# Altium PCB PE100-Rev1_1.PcbDoc (part 1 of 2)
Units mil, origin at the board's own origin, x right, y up, seen from the top; angles counter-clockwise.
Board outline 6600.39 x 4375.99 mil, 4 copper layers (TOP, GND02, VCC03, BOTTOM), stack 28.8 mil thick; 321 components, 383 nets, 1697 pads, 0 vias.
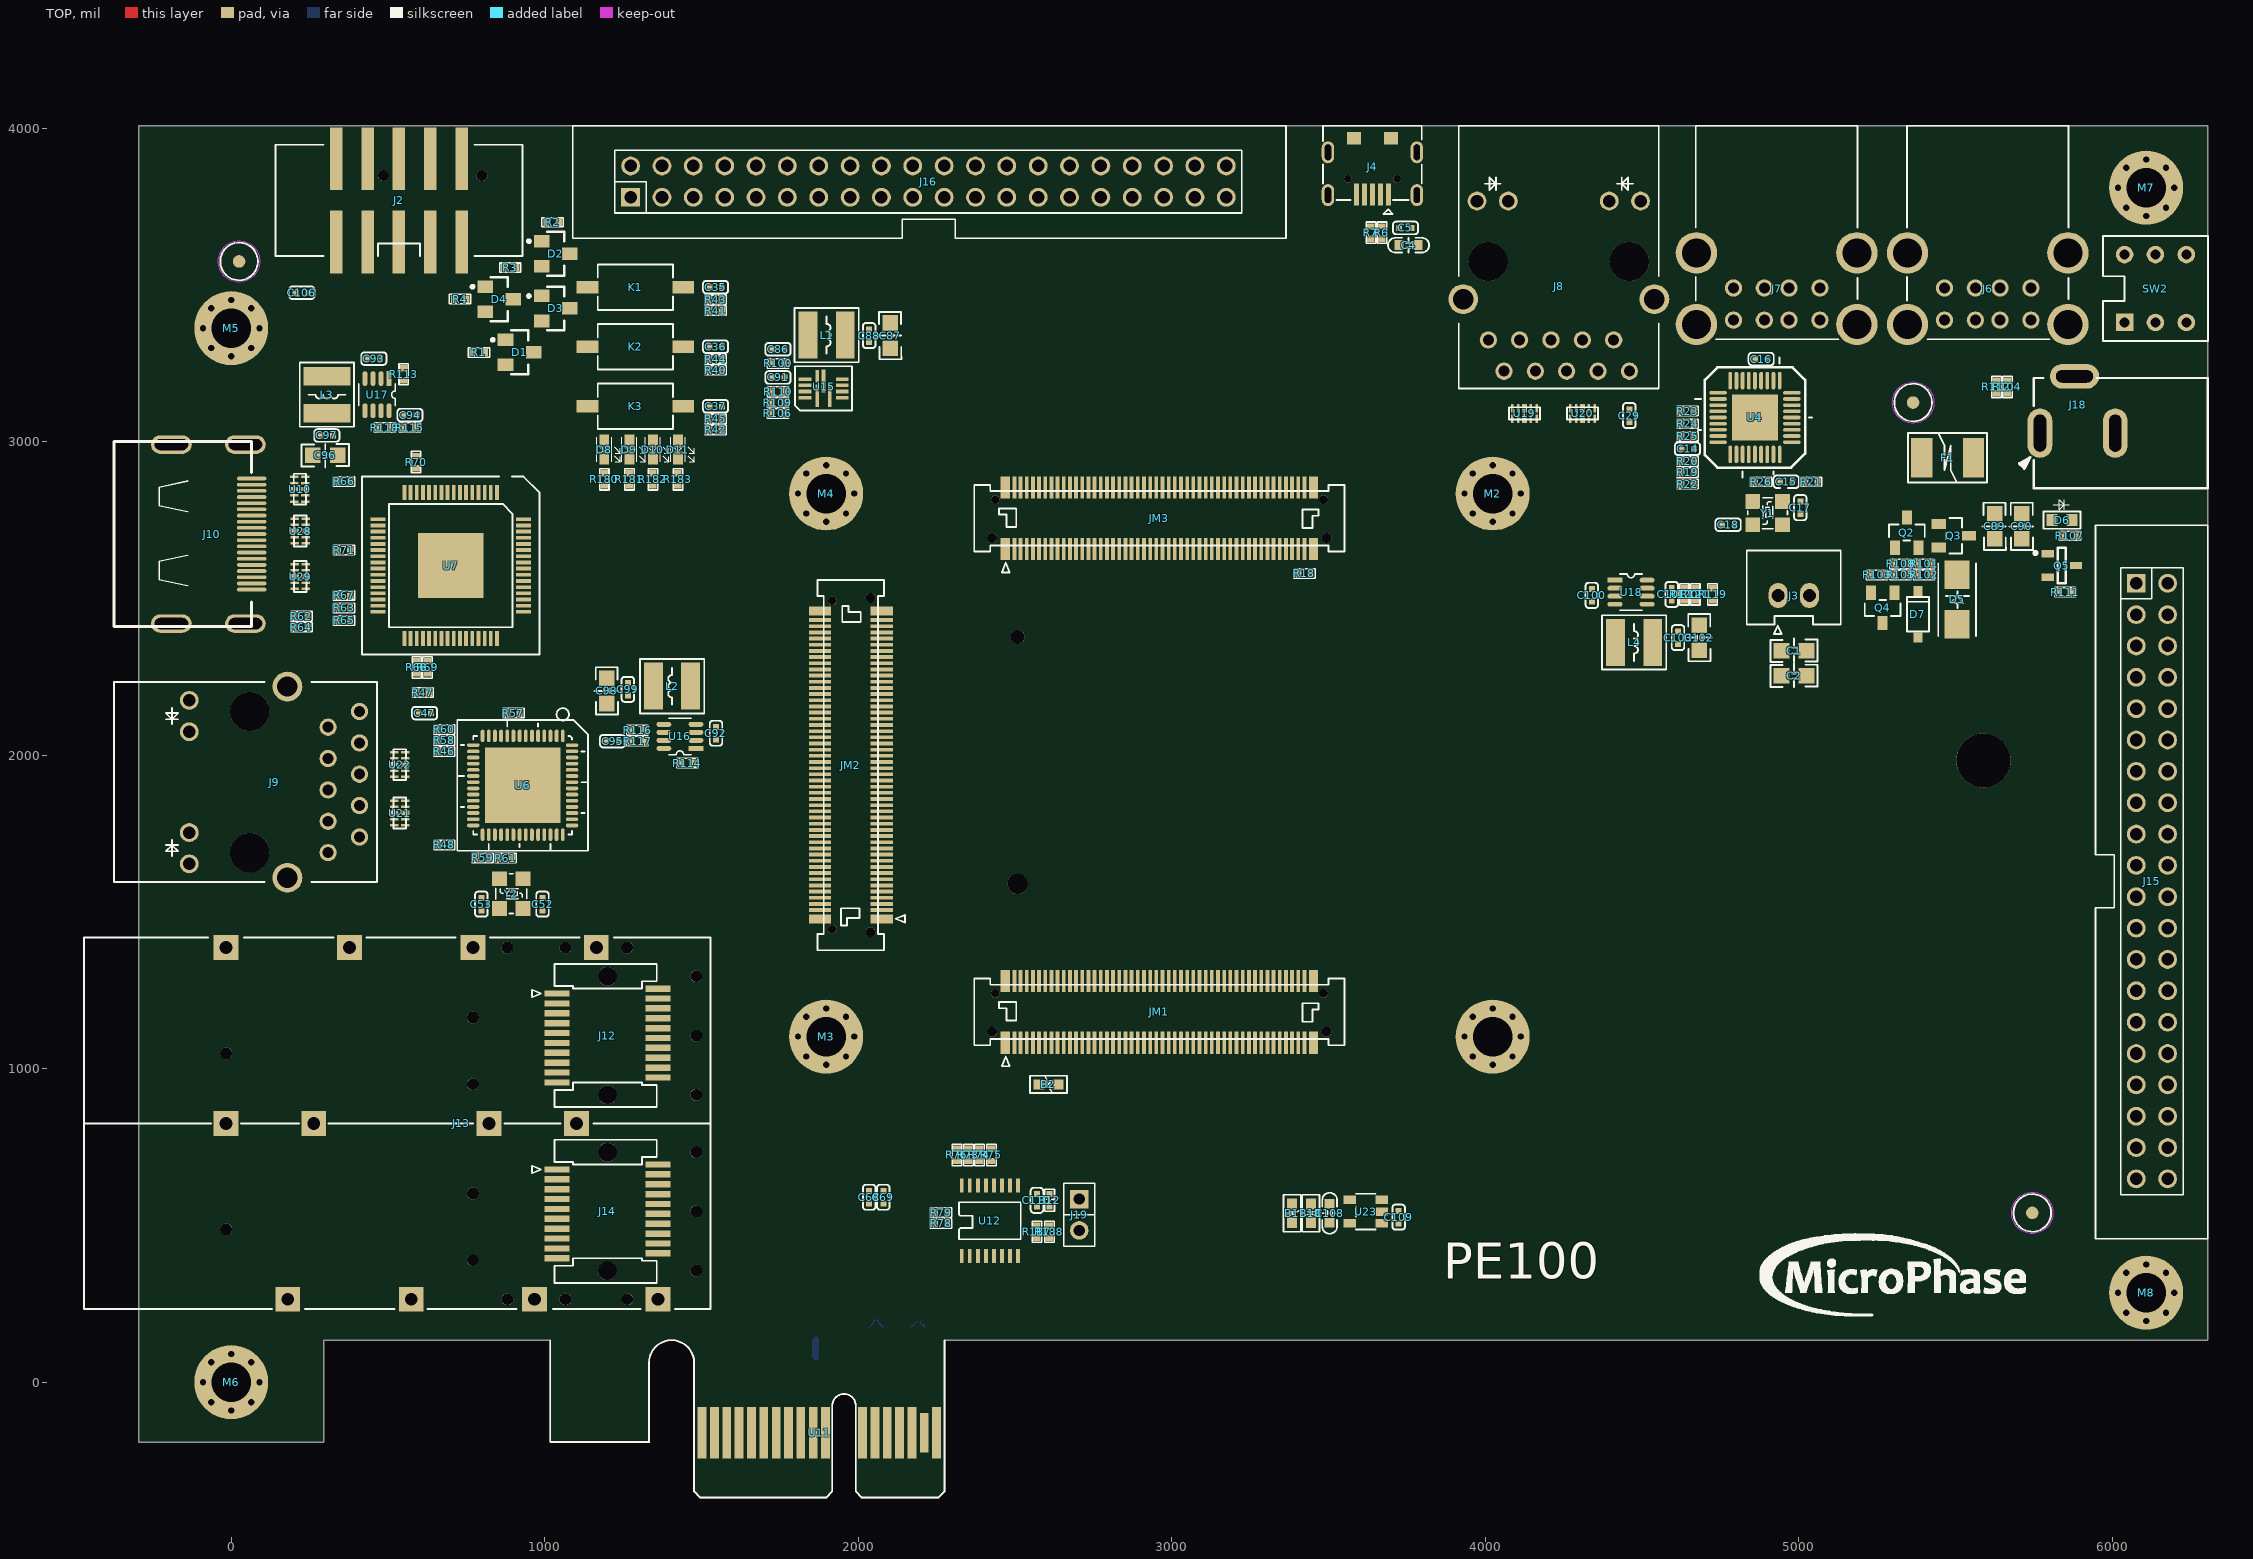
[diagram p0: TOP view]
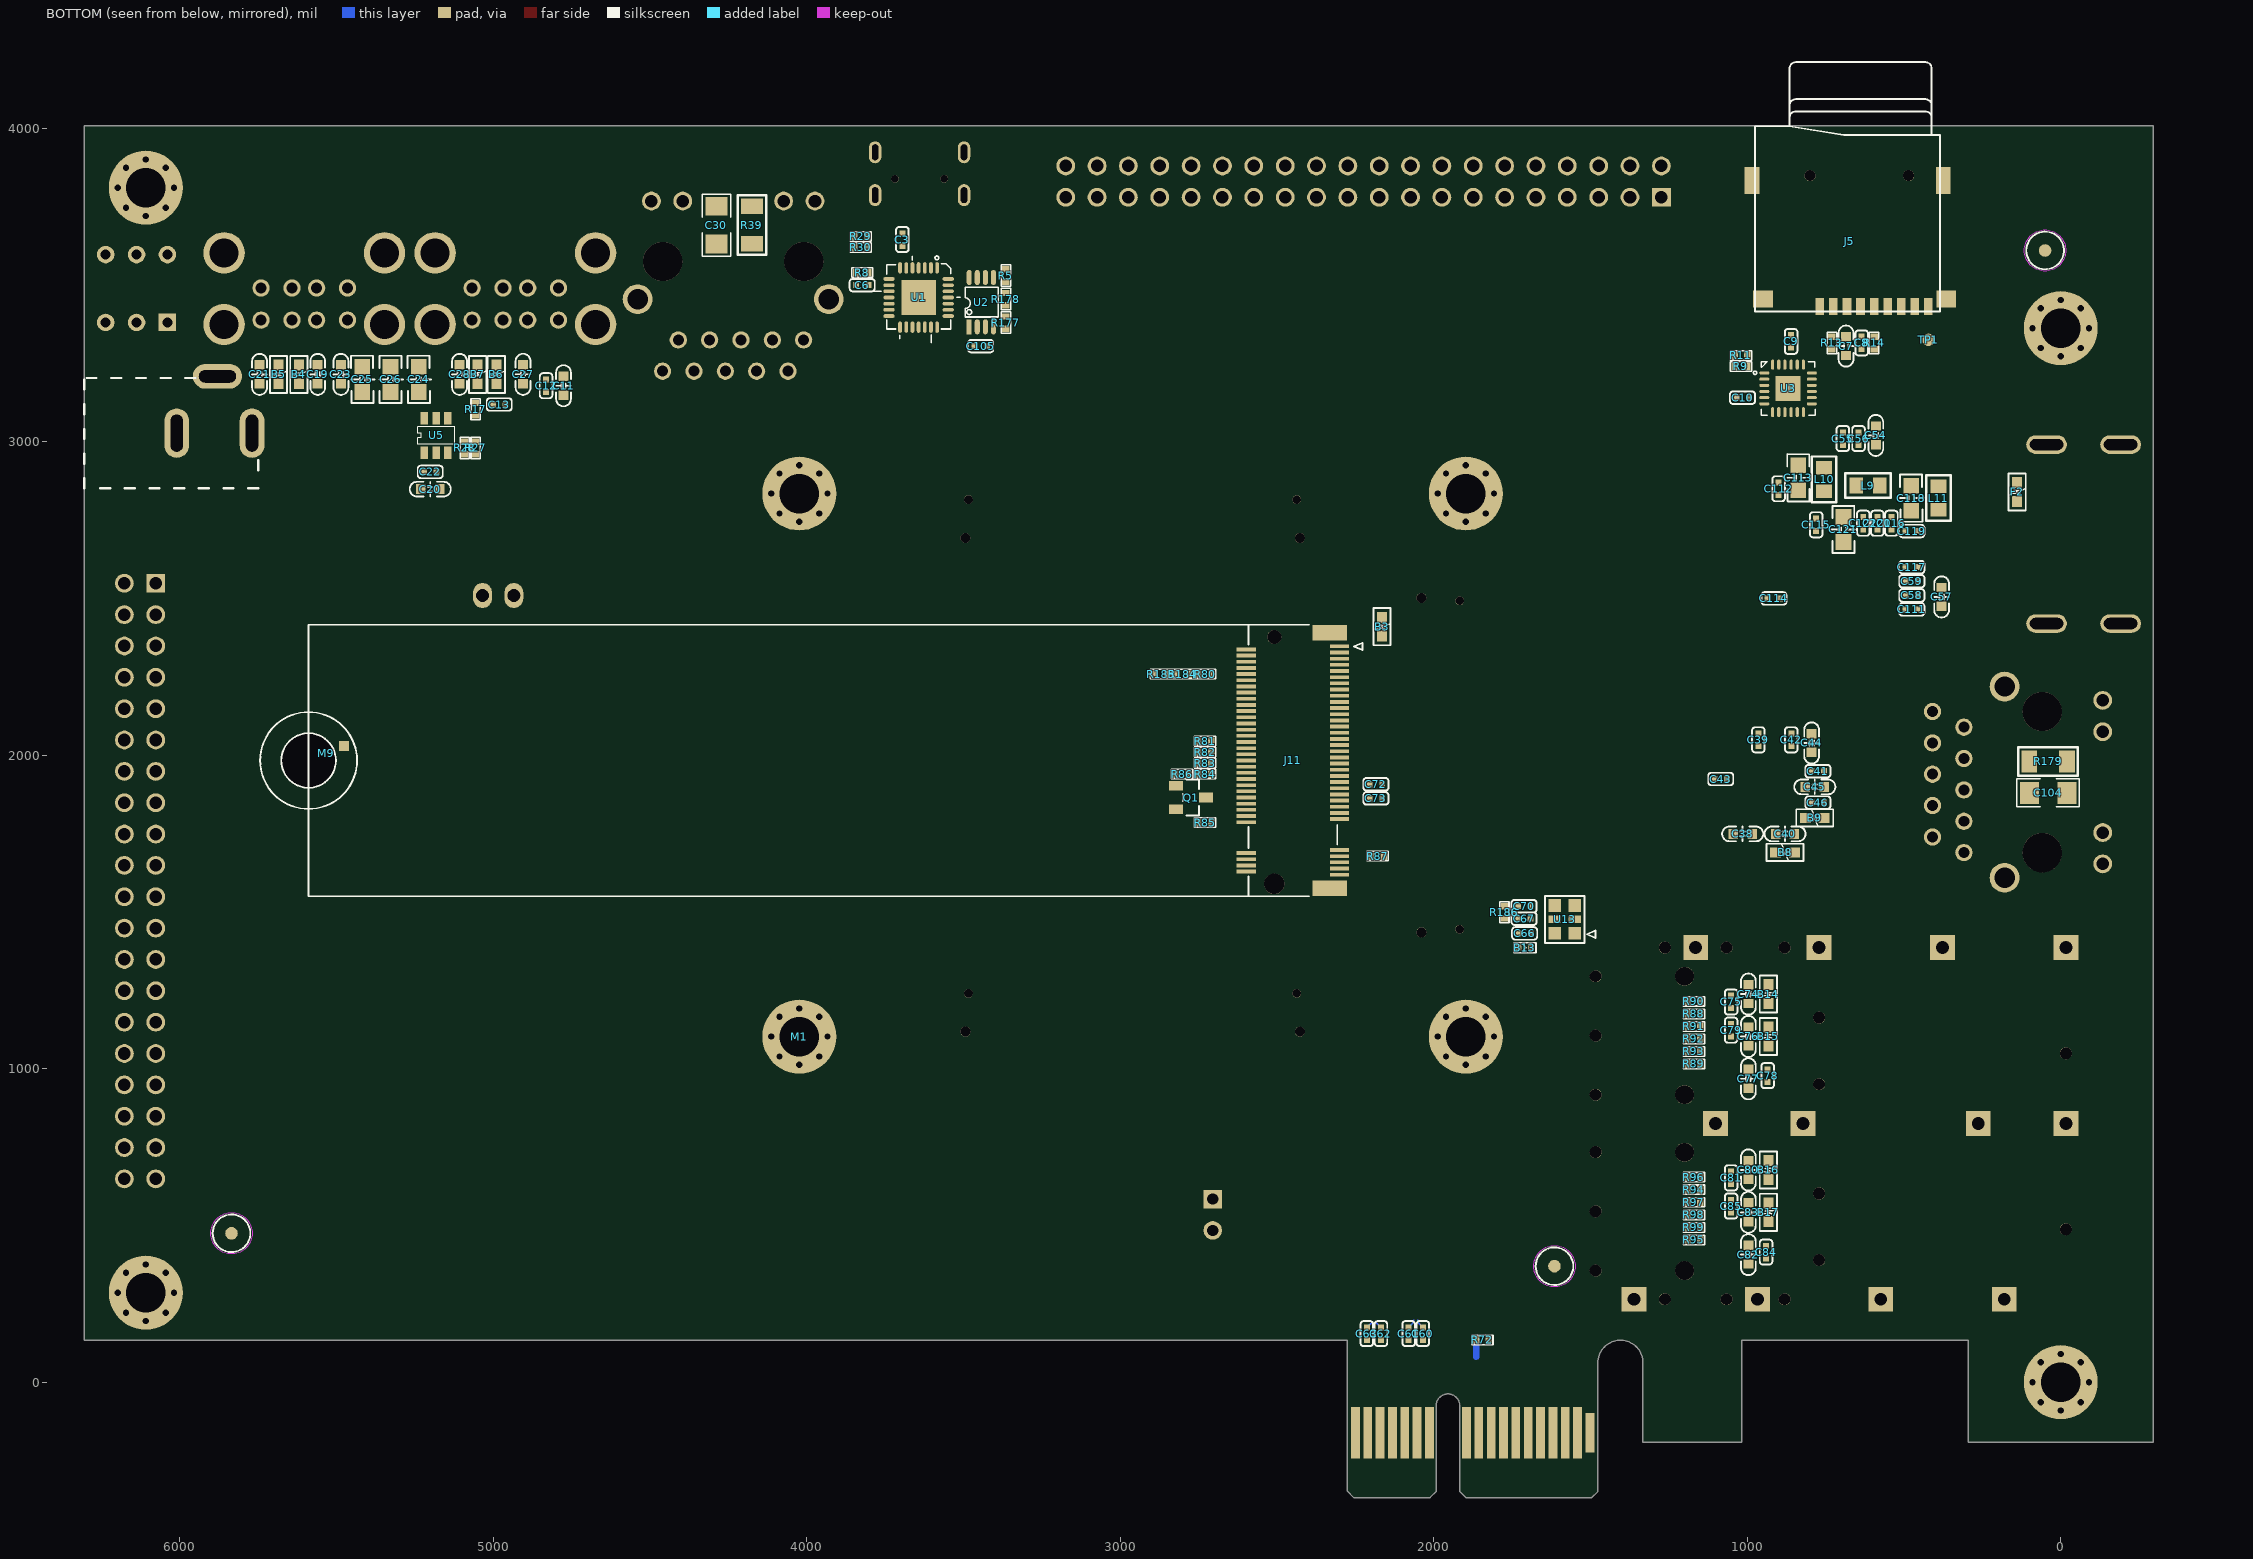
[diagram p1: BOTTOM view, seen from below]
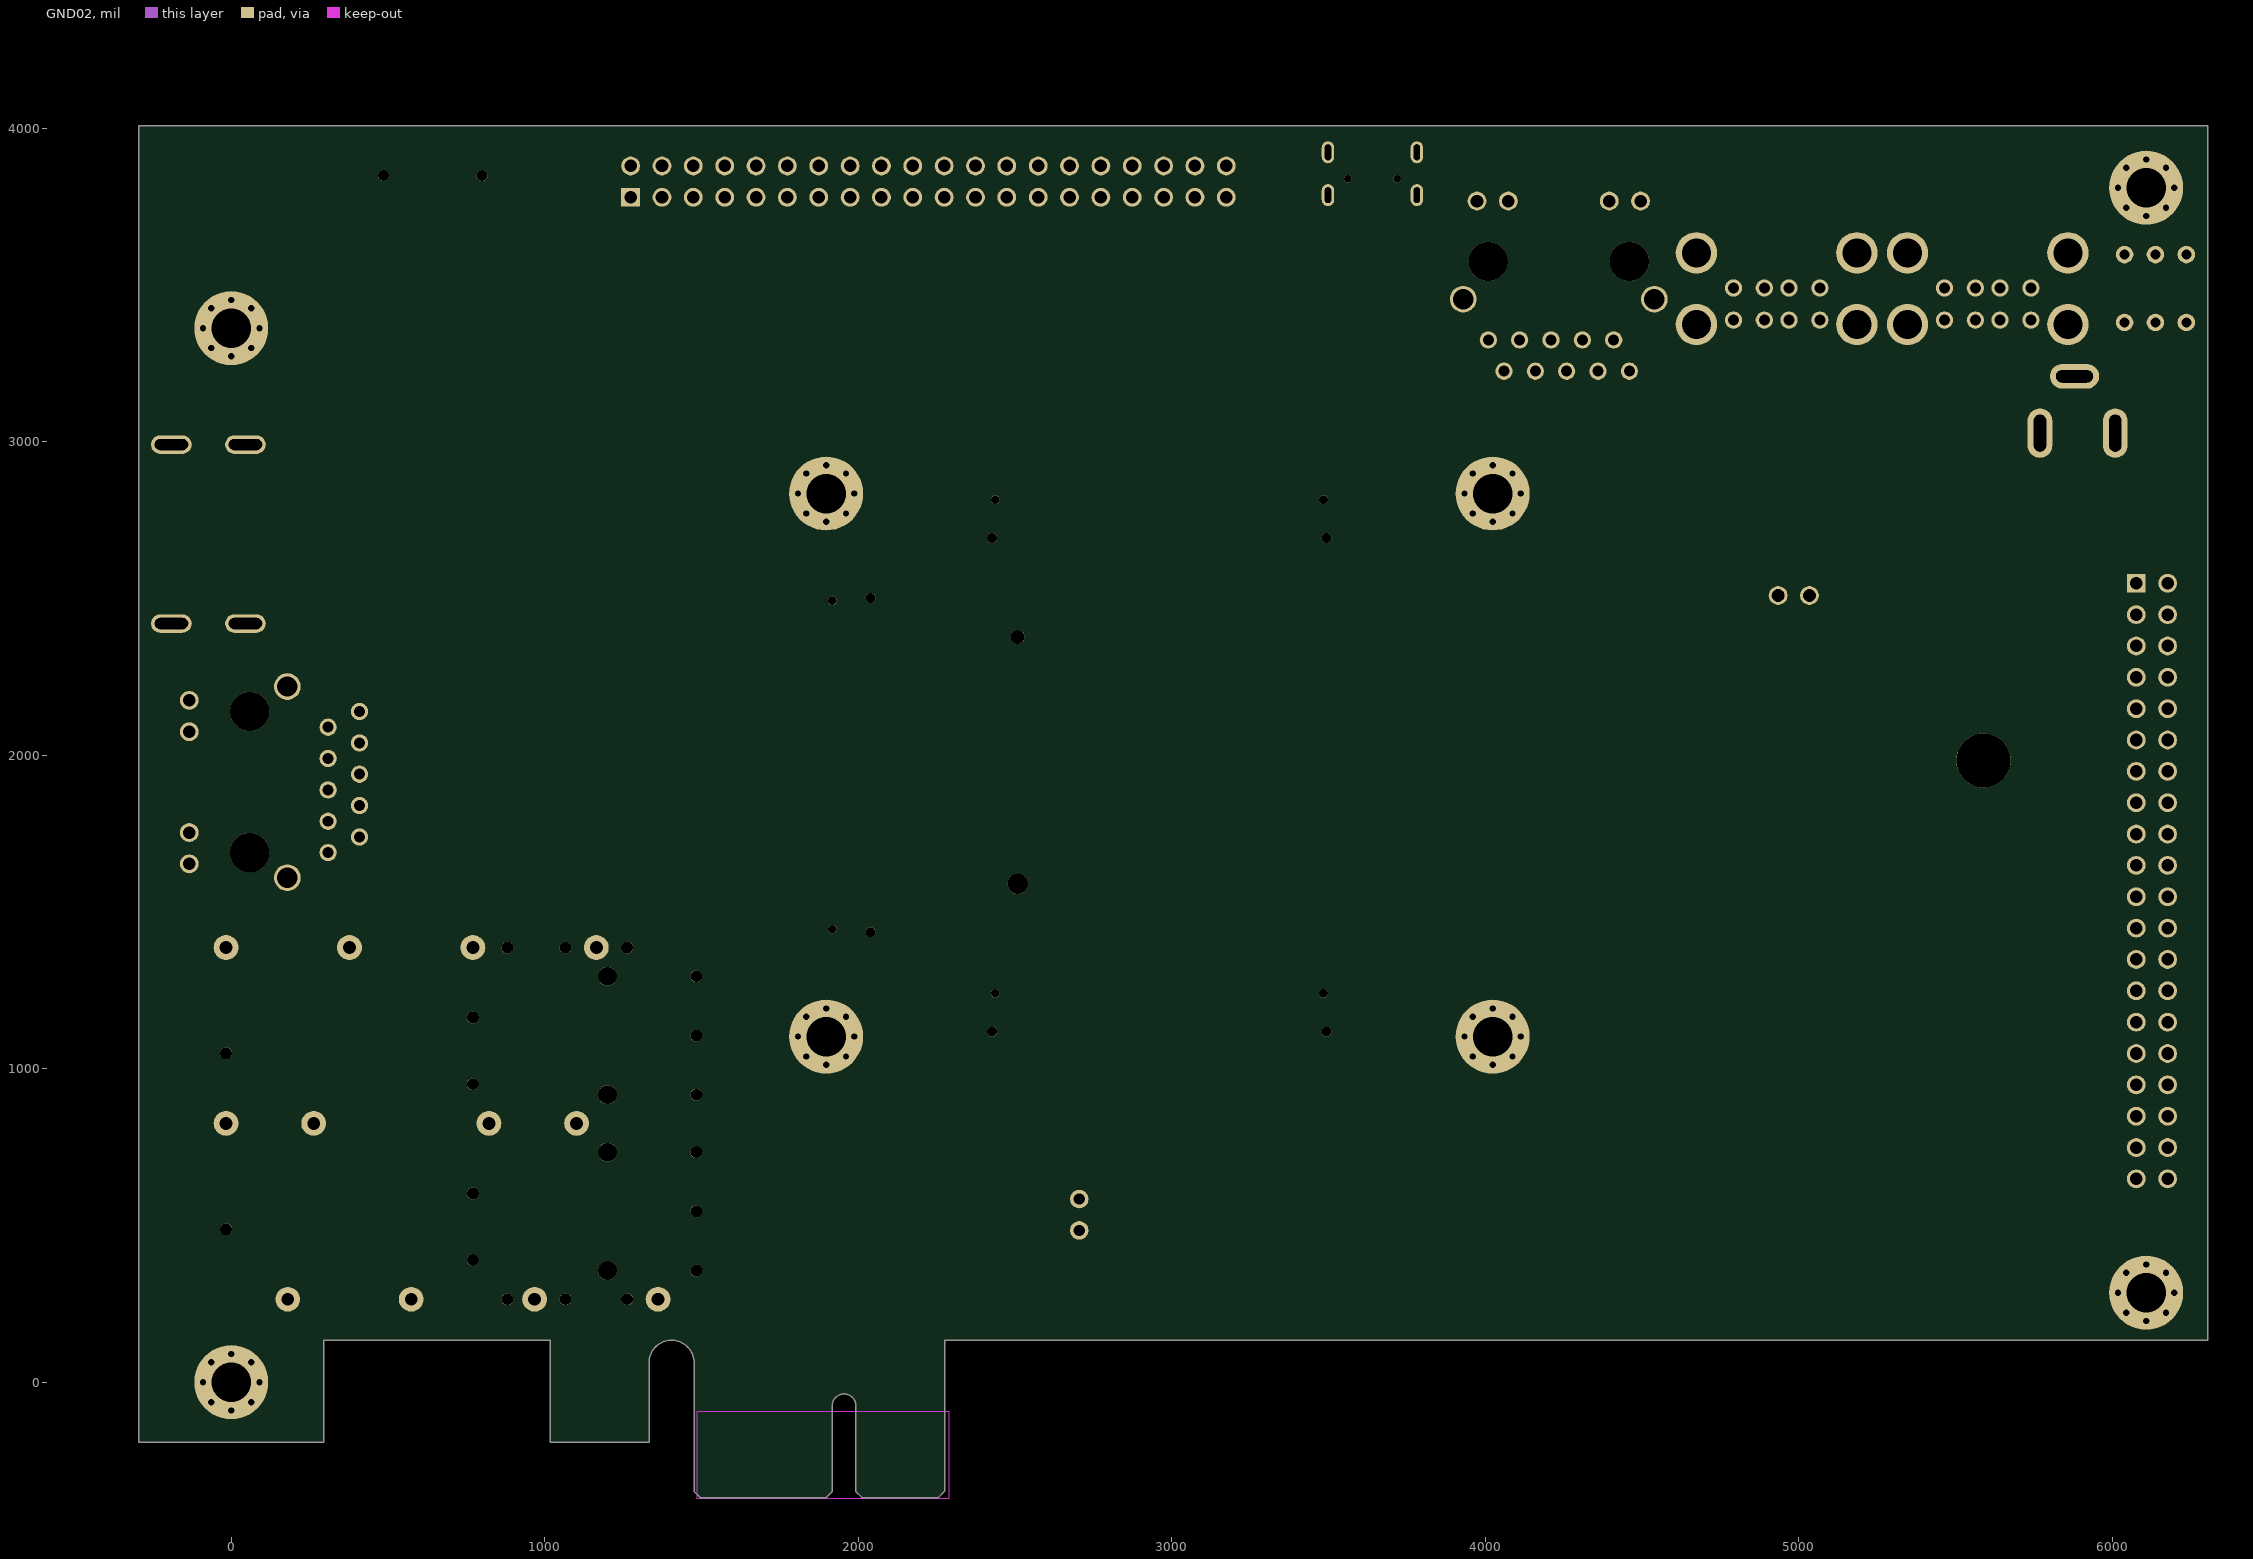
[diagram p2: GND02]

## Text inside footprints (layer, text, board x,y; h text height)
L10: PIN_NUMBER "2" at 745.55,2917.4 h23.62 r270; PIN_NUMBER "1" at 745.55,2842.6 h23.62 r270; ASSEMBLY_BOTTOM "?" at 715.63,2840.63 h23.62 r270; ASSEMBLY_BOTTOM "10uH" at 755,2840.63 h23.62 r270; ASSEMBLY_BOTTOM "L0805" at 656.58,2840.63 h23.62 r270
L11: PIN_NUMBER "2" at 380.55,2857.4 h23.62 r270; PIN_NUMBER "1" at 380.55,2782.6 h23.62 r270; ASSEMBLY_BOTTOM "?" at 350.63,2780.63 h23.62 r270; ASSEMBLY_BOTTOM "10uH" at 390,2780.63 h23.62 r270; ASSEMBLY_BOTTOM "L0805" at 291.57,2780.63 h23.62 r270
M1: PIN_NUMBER "1" at 4013.63,1102.36 h25
M2: PIN_NUMBER "1" at 4013.63,2834.65 h25
M3: PIN_NUMBER "1" at 1887.64,1102.36 h25
M4: PIN_NUMBER "1" at 1887.64,2834.65 h25
M5: PIN_NUMBER "1" at -10,3362.21 h25
M6: PIN_NUMBER "1" at -10,0 h25
M7: PIN_NUMBER "1" at 6098.27,3810.24 h25
M8: PIN_NUMBER "1" at 6098.27,285.44 h25
M9: PIN_NUMBER "1" at 5456.57,2029.82 h50 r90; INFO_EXTERNAL "SYMBOL_NAME: 9774025360" at 5234.8,2298.07 h94 r90; INFO_EXTERNAL "PKG_HEIGHT.: 3.9 MM" at 5255.47,2298.07 h94 r90; INFO_EXTERNAL "PIN_COUNT..: 2" at 5276.14,2298.07 h94 r90; INFO_EXTERNAL "(1): 173C173DN" at 5296.81,2298.07 h94 r90; INFO_EXTERNAL "(1): 31S_NM_NP" at 5317.48,2298.07 h94 r90; INFO_EXTERNAL "COMPANY....: Rocket EMS Inc." at 5338.15,2298.07 h94 r90
Q1: PIN_NUMBER "G" at 2813.15,1902.4 h23.62 r90; PIN_NUMBER "D" at 2716.69,1865 h23.62 r90; PIN_NUMBER "S" at 2813.15,1827.6 h23.62 r90
Q2: PIN_NUMBER "G" at 5298.15,2661.77 h23.62; PIN_NUMBER "S" at 5372.95,2661.77 h23.62; PIN_NUMBER "D" at 5335.55,2758.23 h23.62
Q3: PIN_NUMBER "D" at 5533.78,2700 h23.62 r270; PIN_NUMBER "G" at 5437.32,2737.4 h23.62 r270; PIN_NUMBER "S" at 5437.32,2662.6 h23.62 r270
Q4: PIN_NUMBER "3" at 5258.27,2421.77 h23.62 r180; PIN_NUMBER "1" at 5295.67,2518.23 h23.62 r180; PIN_NUMBER "2" at 5220.86,2518.23 h23.62 r180
Q5: PIN_NUMBER "3" at 5874.69,2605 h25; PIN_NUMBER "1" at 5784.13,2642.4 h25; PIN_NUMBER "2" at 5784.13,2567.6 h25
R1: PIN_NUMBER "1" at 799.69,3285 h25 r180; PIN_NUMBER "2" at 760.31,3285 h25 r180
R2: PIN_NUMBER "1" at 1034.69,3700 h25 r180; PIN_NUMBER "2" at 995.31,3700 h25 r180
R3: PIN_NUMBER "1" at 899.69,3555 h25 r180; PIN_NUMBER "2" at 860.31,3555 h25 r180
R4: PIN_NUMBER "1" at 739.69,3455 h25 r180; PIN_NUMBER "2" at 700.31,3455 h25 r180
R5: PIN_NUMBER "2" at 3355,3510.31 h25 r90; PIN_NUMBER "1" at 3355,3549.69 h25 r90
R6: PIN_NUMBER "1" at 3660.53,3686.51 h25 r270; PIN_NUMBER "2" at 3660.53,3647.13 h25 r270
R7: PIN_NUMBER "1" at 3625.53,3686.51 h25 r270; PIN_NUMBER "2" at 3625.53,3647.13 h25 r270
R8: PIN_NUMBER "1" at 3832.59,3539.38 h25; PIN_NUMBER "2" at 3793.21,3539.38 h25
R9: PIN_NUMBER "1" at 990.31,3240 h25 r180; PIN_NUMBER "2" at 1029.69,3240 h25 r180
R11: PIN_NUMBER "2" at 990.31,3275 h25; PIN_NUMBER "1" at 1029.69,3275 h25
R13: PIN_NUMBER "1" at 720,3334.69 h25 r90; PIN_NUMBER "2" at 720,3295.31 h25 r90
R14: PIN_NUMBER "1" at 585.32,3334.69 h25 r90; PIN_NUMBER "2" at 585.32,3295.31 h25 r90
R17: PIN_NUMBER "1" at 5045.98,3123.28 h25 r90; PIN_NUMBER "2" at 5045.98,3083.9 h25 r90
R18: PIN_NUMBER "2" at 3393.54,2580 h25 r180; PIN_NUMBER "1" at 3432.92,2580 h25 r180
R19: PIN_NUMBER "1" at 4655.08,2902.24 h25 r180; PIN_NUMBER "2" at 4615.7,2902.24 h25 r180
R20: PIN_NUMBER "1" at 4655.08,2937.24 h25 r180; PIN_NUMBER "2" at 4615.7,2937.24 h25 r180
R21: PIN_NUMBER "1" at 5010.39,2872.24 h25; PIN_NUMBER "2" at 5049.77,2872.24 h25
R22: PIN_NUMBER "1" at 4655.08,2865 h25 r180; PIN_NUMBER "2" at 4615.7,2865 h25 r180
R23: PIN_NUMBER "1" at 4655.08,3097.24 h25 r180; PIN_NUMBER "2" at 4615.7,3097.24 h25 r180
R24: PIN_NUMBER "1" at 4655.08,3057.24 h25 r180; PIN_NUMBER "2" at 4615.7,3057.24 h25 r180
R25: PIN_NUMBER "1" at 4655.08,3017.24 h25 r180; PIN_NUMBER "2" at 4615.7,3017.24 h25 r180
R26: PIN_NUMBER "2" at 4850.39,2872.24 h25 r180; PIN_NUMBER "1" at 4889.77,2872.24 h25 r180
R27: PIN_NUMBER "1" at 5045.98,2999.69 h25 r90; PIN_NUMBER "2" at 5045.98,2960.31 h25 r90
R28: PIN_NUMBER "2" at 5080.98,2999.69 h25 r270; PIN_NUMBER "1" at 5080.98,2960.31 h25 r270
R29: PIN_NUMBER "1" at 3837.59,3655 h25; PIN_NUMBER "2" at 3798.21,3655 h25
R30: PIN_NUMBER "1" at 3837.59,3620 h25; PIN_NUMBER "2" at 3798.21,3620 h25
R39: PIN_NUMBER "2" at 4165,3631 h25 r90; PIN_NUMBER "1" at 4165,3751 h25 r90
R40: PIN_NUMBER "2" at 1515,3228 h25 r180; PIN_NUMBER "1" at 1554.38,3228 h25 r180
R41: PIN_NUMBER "2" at 1515,3418 h25 r180; PIN_NUMBER "1" at 1554.38,3418 h25 r180
R42: PIN_NUMBER "2" at 1515,3038 h25 r180; PIN_NUMBER "1" at 1554.38,3038 h25 r180
R43: PIN_NUMBER "2" at 1515,3453 h25 r180; PIN_NUMBER "1" at 1554.38,3453 h25 r180
R44: PIN_NUMBER "2" at 1515,3263 h25 r180; PIN_NUMBER "1" at 1554.38,3263 h25 r180
R45: PIN_NUMBER "2" at 1515,3073 h25 r180; PIN_NUMBER "1" at 1554.38,3073 h25 r180
R46: PIN_NUMBER "2" at 689.26,2012.3 h25; PIN_NUMBER "1" at 649.89,2012.3 h25
R47: PIN_NUMBER "1" at 581.05,2200 h25; PIN_NUMBER "2" at 620.43,2200 h25
R48: PIN_NUMBER "1" at 649.89,1714.04 h25; PIN_NUMBER "2" at 689.26,1714.04 h25
R57: PIN_NUMBER "2" at 909.73,2134.03 h25; PIN_NUMBER "1" at 870.35,2134.03 h25
R58: PIN_NUMBER "2" at 689.26,2047.3 h25; PIN_NUMBER "1" at 649.89,2047.3 h25
R59: PIN_NUMBER "2" at 811.31,1672.78 h25; PIN_NUMBER "1" at 771.93,1672.78 h25
R60: PIN_NUMBER "2" at 689.26,2082.3 h25; PIN_NUMBER "1" at 649.89,2082.3 h25
R61: PIN_NUMBER "1" at 884.89,1672.07 h25 r180; PIN_NUMBER "2" at 845.51,1672.07 h25 r180
R62: PIN_NUMBER "2" at 194.21,2443.42 h25 r180; PIN_NUMBER "1" at 233.59,2443.42 h25 r180
R63: PIN_NUMBER "2" at 369.69,2470 h25; PIN_NUMBER "1" at 330.31,2470 h25
R64: PIN_NUMBER "2" at 194.21,2408.42 h25 r180; PIN_NUMBER "1" at 233.59,2408.42 h25 r180
R65: PIN_NUMBER "2" at 369.69,2430 h25; PIN_NUMBER "1" at 330.31,2430 h25
R66: PIN_NUMBER "1" at 369.69,2873.46 h25 r180; PIN_NUMBER "2" at 330.31,2873.46 h25 r180
R67: PIN_NUMBER "2" at 369.69,2510 h25; PIN_NUMBER "1" at 330.31,2510 h25
R68: PIN_NUMBER "2" at 581.73,2299.69 h25 r90; PIN_NUMBER "1" at 581.73,2260.31 h25 r90
R69: PIN_NUMBER "2" at 616.26,2299.69 h25 r90; PIN_NUMBER "1" at 616.26,2260.31 h25 r90
R70: PIN_NUMBER "1" at 580,2915.31 h25 r90; PIN_NUMBER "2" at 580,2954.69 h25 r90
R71: PIN_NUMBER "2" at 369.69,2654.21 h25; PIN_NUMBER "1" at 330.31,2654.21 h25
R72: PIN_NUMBER "1" at 1815.31,135 h25 r180; PIN_NUMBER "2" at 1854.69,135 h25 r180
R73: PIN_NUMBER "2" at 2341.32,744.69 h25 r90; PIN_NUMBER "1" at 2341.32,705.31 h25 r90
R74: PIN_NUMBER "2" at 2376.32,744.69 h25 r90; PIN_NUMBER "1" at 2376.32,705.31 h25 r90
R75: PIN_NUMBER "1" at 2415,744.69 h25 r270; PIN_NUMBER "2" at 2415,705.31 h25 r270
R76: PIN_NUMBER "1" at 2305,744.69 h25 r270; PIN_NUMBER "2" at 2305,705.31 h25 r270
R78: PIN_NUMBER "2" at 2273.99,506.25 h25; PIN_NUMBER "1" at 2234.61,506.25 h25
R79: PIN_NUMBER "2" at 2273.99,541.25 h25; PIN_NUMBER "1" at 2234.61,541.25 h25
R80: PIN_NUMBER "1" at 2699.68,2258.7 h25 r180; PIN_NUMBER "2" at 2739.05,2258.7 h25 r180
R81: PIN_NUMBER "1" at 2699.68,2045 h25 r180; PIN_NUMBER "2" at 2739.05,2045 h25 r180
R82: PIN_NUMBER "1" at 2699.68,2010 h25 r180; PIN_NUMBER "2" at 2739.05,2010 h25 r180
R83: PIN_NUMBER "1" at 2699.68,1975 h25 r180; PIN_NUMBER "2" at 2739.05,1975 h25 r180
R84: PIN_NUMBER "1" at 2699.68,1940 h25 r180; PIN_NUMBER "2" at 2739.05,1940 h25 r180
R85: PIN_NUMBER "1" at 2699.68,1785 h25 r180; PIN_NUMBER "2" at 2739.05,1785 h25 r180
R86: PIN_NUMBER "2" at 2812.59,1940 h25 r180; PIN_NUMBER "1" at 2773.22,1940 h25 r180
R87: PIN_NUMBER "1" at 2189.05,1677.99 h25; PIN_NUMBER "2" at 2149.68,1677.99 h25
R88: PIN_NUMBER "2" at 1179.69,1175 h25 r180; PIN_NUMBER "1" at 1140.31,1175 h25 r180
R89: PIN_NUMBER "2" at 1179.69,1015 h25 r180; PIN_NUMBER "1" at 1140.31,1015 h25 r180
R90: PIN_NUMBER "1" at 1140.31,1215 h25 r180; PIN_NUMBER "2" at 1179.69,1215 h25 r180
R91: PIN_NUMBER "2" at 1179.69,1135 h25 r180; PIN_NUMBER "1" at 1140.31,1135 h25 r180
R92: PIN_NUMBER "2" at 1179.69,1095 h25 r180; PIN_NUMBER "1" at 1140.31,1095 h25 r180
R93: PIN_NUMBER "2" at 1179.69,1055 h25 r180; PIN_NUMBER "1" at 1140.31,1055 h25 r180
R94: PIN_NUMBER "1" at 1140.31,613.98 h25 r180; PIN_NUMBER "2" at 1179.69,613.98 h25 r180
R95: PIN_NUMBER "1" at 1140.31,453.98 h25 r180; PIN_NUMBER "2" at 1179.69,453.98 h25 r180
R96: PIN_NUMBER "1" at 1140.31,653.98 h25 r180; PIN_NUMBER "2" at 1179.69,653.98 h25 r180
R97: PIN_NUMBER "1" at 1140.31,573.98 h25 r180; PIN_NUMBER "2" at 1179.69,573.98 h25 r180
R98: PIN_NUMBER "1" at 1140.31,533.98 h25 r180; PIN_NUMBER "2" at 1179.69,533.98 h25 r180
R99: PIN_NUMBER "1" at 1140.31,493.98 h25 r180; PIN_NUMBER "2" at 1179.69,493.98 h25 r180
R100: PIN_NUMBER "1" at 1753.94,3250 h25 r180; PIN_NUMBER "2" at 1714.56,3250 h25 r180
R101: PIN_NUMBER "2" at 5370.31,2610 h25 r180; PIN_NUMBER "1" at 5409.69,2610 h25 r180
R102: PIN_NUMBER "2" at 5370.31,2575 h25 r180; PIN_NUMBER "1" at 5409.69,2575 h25 r180
R103: PIN_NUMBER "2" at 5220.31,2575 h25 r180; PIN_NUMBER "1" at 5259.69,2575 h25 r180
R104: PIN_NUMBER "2" at 5655.63,3155.31 h25 r270; PIN_NUMBER "1" at 5655.63,3194.69 h25 r270
R105: PIN_NUMBER "1" at 5334.69,2575 h25 r180; PIN_NUMBER "2" at 5295.31,2575 h25 r180
R106: PIN_NUMBER "1" at 1714.24,3090 h25; PIN_NUMBER "2" at 1753.63,3090 h25
R107: PIN_NUMBER "1" at 5835.31,2700 h25; PIN_NUMBER "2" at 5874.69,2700 h25
R108: PIN_NUMBER "1" at 5334.69,2610 h25 r180; PIN_NUMBER "2" at 5295.31,2610 h25 r180
R109: PIN_NUMBER "1" at 1753.63,3125 h25 r180; PIN_NUMBER "2" at 1714.25,3125 h25 r180
R110: PIN_NUMBER "1" at 1754.25,3160 h25 r180; PIN_NUMBER "2" at 1714.87,3160 h25 r180
R111: PIN_NUMBER "1" at 5859.69,2520 h25 r180; PIN_NUMBER "2" at 5820.31,2520 h25 r180
R112: PIN_NUMBER "1" at 5620.63,3194.69 h25 r270; PIN_NUMBER "2" at 5620.63,3155.31 h25 r270
R113: PIN_NUMBER "1" at 540,3195.31 h25 r90; PIN_NUMBER "2" at 540,3234.69 h25 r90
R114: PIN_NUMBER "1" at 1425.31,1975 h25; PIN_NUMBER "2" at 1464.69,1975 h25
R115: PIN_NUMBER "1" at 540.31,3045 h25; PIN_NUMBER "2" at 579.69,3045 h25
R116: PIN_NUMBER "2" at 1266.57,2080 h25 r180; PIN_NUMBER "1" at 1305.95,2080 h25 r180
R117: PIN_NUMBER "2" at 1305.95,2045 h25; PIN_NUMBER "1" at 1266.57,2045 h25
R118: PIN_NUMBER "2" at 499.69,3045 h25; PIN_NUMBER "1" at 460.31,3045 h25
R119: PIN_NUMBER "1" at 4715,2532.8 h25 r270; PIN_NUMBER "2" at 4715,2493.42 h25 r270
R120: PIN_NUMBER "2" at 4625,2493.42 h25 r270; PIN_NUMBER "1" at 4625,2532.8 h25 r270
R121: PIN_NUMBER "1" at 4660,2493.42 h25 r90; PIN_NUMBER "2" at 4660,2532.8 h25 r90
R177: PIN_NUMBER "2" at 3355,3360.31 h25 r90; PIN_NUMBER "1" at 3355,3399.69 h25 r90
R178: PIN_NUMBER "2" at 3355,3474.69 h25 r270; PIN_NUMBER "1" at 3355,3435.31 h25 r270
R179: PIN_NUMBER "1" at -30,1980 h25 r180; PIN_NUMBER "2" at 90,1980 h25 r180
R180: PIN_NUMBER "1" at 1180,2860.31 h25 r90; PIN_NUMBER "2" at 1180,2899.69 h25 r90
R181: PIN_NUMBER "2" at 1260,2899.69 h25 r90; PIN_NUMBER "1" at 1260,2860.31 h25 r90
R182: PIN_NUMBER "2" at 1335,2899.69 h25 r90; PIN_NUMBER "1" at 1335,2860.31 h25 r90
R183: PIN_NUMBER "2" at 1415,2899.69 h25 r90; PIN_NUMBER "1" at 1415,2860.31 h25 r90
R184: PIN_NUMBER "1" at 2770.31,2258.7 h25 r180; PIN_NUMBER "2" at 2809.69,2258.7 h25 r180
R185: PIN_NUMBER "1" at 2840.31,2258.7 h25 r180; PIN_NUMBER "2" at 2879.69,2258.7 h25 r180
R186: PIN_NUMBER "2" at 1765,1479.18 h25 r90; PIN_NUMBER "1" at 1765,1518.56 h25 r90
R187: PIN_NUMBER "1" at 2560,499.69 h25 r270; PIN_NUMBER "2" at 2560,460.31 h25 r270
R188: PIN_NUMBER "1" at 2600,460.31 h25 r90; PIN_NUMBER "2" at 2600,499.69 h25 r90
SW2: PIN_NUMBER "2" at 6127.8,3380.35 h25; PIN_NUMBER "5" at 6127.8,3596.89 h25; PIN_NUMBER "1" at 6029.37,3380.35 h25; PIN_NUMBER "4" at 6029.37,3596.89 h25; PIN_NUMBER "6" at 6226.22,3596.89 h25; PIN_NUMBER "3" at 6226.22,3380.35 h25
TP1: PIN_NUMBER "1" at 412.1,3325 h25 r180
U1: PIN_NUMBER "23" at 3528.73,3420.63 h25 r90; PIN_NUMBER "1" at 3574.14,3554.49 h25 r90; PIN_NUMBER "27" at 3528.73,3499.37 h25 r90; PIN_NUMBER "28" at 3528.73,3519.06 h25 r90; PIN_NUMBER "10" at 3717.69,3479.7 h25 r90; PIN_NUMBER "21" at 3564.14,3365.51 h25 r90; PIN_NUMBER "22" at 3528.73,3400.95 h25 r90; PIN_NUMBER "13" at 3717.69,3420.64 h25 r90; PIN_NUMBER "14" at 3717.69,3400.96 h25 r90; PIN_NUMBER "15" at 3682.25,3365.51 h25 r90; PIN_NUMBER "16" at 3662.57,3365.51 h25 r90; PIN_NUMBER "17" at 3642.88,3365.51 h25 r90; PIN_NUMBER "18" at 3623.2,3365.51 h25 r90; PIN_NUMBER "19" at 3603.51,3365.51 h25 r90; PIN_NUMBER "20" at 3583.82,3365.51 h25 r90; PIN_NUMBER "2" at 3593.82,3554.49 h25 r90; PIN_NUMBER "24" at 3528.73,3440.32 h25 r90; PIN_NUMBER "12" at 3717.69,3440.33 h25 r90; PIN_NUMBER "11" at 3717.69,3460.01 h25 r90; PIN_NUMBER "8" at 3727.69,3519.07 h25 r90; PIN_NUMBER "7" at 3692.25,3554.49 h25 r90; PIN_NUMBER "26" at 3528.73,3479.69 h25 r90; PIN_NUMBER "6" at 3672.57,3554.49 h25 r90; PIN_NUMBER "29" at 3623.21,3460 h25 r90; PIN_NUMBER "3" at 3613.51,3554.49 h25 r90; PIN_NUMBER "9" at 3727.69,3499.38 h25 r90; PIN_NUMBER "25" at 3528.73,3460 h25 r90; PIN_NUMBER "5" at 3652.88,3554.49 h25 r90; PIN_NUMBER "4" at 3633.19,3554.49 h25 r90
U2: PIN_NUMBER "4" at 3394.63,3366.26 h25; PIN_NUMBER "3" at 3420.22,3366.26 h25; PIN_NUMBER "5" at 3394.63,3523.74 h25; PIN_NUMBER "8" at 3471.79,3523.74 h25; PIN_NUMBER "7" at 3446.2,3523.74 h25; PIN_NUMBER "6" at 3420.22,3523.74 h25; PIN_NUMBER "2" at 3446.2,3366.26 h25; PIN_NUMBER "1" at 3471.79,3366.26 h25
U3: PIN_NUMBER "13" at 774.22,3120.8 h25; PIN_NUMBER "12" at 800.8,3094.2 h25; PIN_NUMBER "14" at 774.22,3140.48 h25; PIN_NUMBER "15" at 774.22,3160.16 h25; PIN_NUMBER "8" at 889.54,3094.2 h25; PIN_NUMBER "10" at 840.17,3094.2 h25; PIN_NUMBER "20" at 820.48,3245.8 h25; PIN_NUMBER "19" at 800.8,3245.8 h25; PIN_NUMBER "3" at 935.78,3179.85 h25; PIN_NUMBER "7" at 909.22,3094.2 h25; PIN_NUMBER "16" at 774.22,3179.85 h25; PIN_NUMBER "4" at 935.78,3160.16 h25; PIN_NUMBER "18" at 774.22,3219.22 h25; PIN_NUMBER "24" at 899.22,3245.8 h25; PIN_NUMBER "25" at 850,3170 h25; PIN_NUMBER "11" at 820.48,3094.2 h25; PIN_NUMBER "2" at 935.78,3199.53 h25; PIN_NUMBER "6" at 935.78,3120.8 h25; PIN_NUMBER "23" at 879.53,3245.8 h25; PIN_NUMBER "17" at 774.22,3199.53 h25; PIN_NUMBER "21" at 840.17,3245.8 h25; PIN_NUMBER "9" at 869.85,3094.2 h25; PIN_NUMBER "5" at 935.78,3140.48 h25; PIN_NUMBER "22" at 859.85,3245.8 h25; PIN_NUMBER "1" at 935.78,3219.22 h25; ASSEMBLY_BOTTOM "13" at 830.63,3114.88 h25; ASSEMBLY_BOTTOM "7" at 932.99,3087.32 h25; ASSEMBLY_BOTTOM "1" at 902.64,3205.18 h30 r270
U4: PIN_NUMBER "13" at 4864.08,3194.83 h20 r180; PIN_NUMBER "17" at 4785.33,3194.83 h20 r180; PIN_NUMBER "19" at 4726.8,3155.98 h20 r180; PIN_NUMBER "21" at 4726.8,3116.61 h20 r180; PIN_NUMBER "12" at 4883.76,3194.83 h20 r180; PIN_NUMBER "11" at 4903.45,3194.83 h20 r180; PIN_NUMBER "16" at 4805.02,3194.83 h20 r180; PIN_NUMBER "18" at 4765.65,3194.83 h20 r180; PIN_NUMBER "20" at 4726.8,3136.3 h20 r180; PIN_NUMBER "26" at 4726.8,3018.18 h20 r180; PIN_NUMBER "22" at 4726.8,3096.93 h20 r180; PIN_NUMBER "2" at 4969.98,3018.18 h20 r180; PIN_NUMBER "3" at 4969.98,3037.87 h20 r180; PIN_NUMBER "31" at 4824.7,2959.65 h20 r180; PIN_NUMBER "34" at 4883.76,2959.65 h20 r180; PIN_NUMBER "24" at 4726.8,3057.55 h20 r180; PIN_NUMBER "7" at 4969.98,3116.61 h20 r180; PIN_NUMBER "4" at 4969.98,3057.55 h20 r180; PIN_NUMBER "27" at 4726.8,2998.5 h20 r180; PIN_NUMBER "1" at 4969.98,2998.5 h20 r180; PIN_NUMBER "28" at 4765.65,2959.65 h20 r180; PIN_NUMBER "14" at 4844.39,3194.83 h20 r180; PIN_NUMBER "25" at 4726.8,3037.87 h20 r180; PIN_NUMBER "32" at 4844.39,2959.65 h20 r180; PIN_NUMBER "35" at 4903.45,2959.65 h20 r180; PIN_NUMBER "33" at 4864.08,2959.65 h20 r180; PIN_NUMBER "9" at 4969.98,3155.98 h20 r180; PIN_NUMBER "30" at 4805.02,2959.65 h20 r180; PIN_NUMBER "6" at 4969.98,3096.93 h20 r180; PIN_NUMBER "8" at 4969.98,3136.3 h20 r180; PIN_NUMBER "37" at 4815.89,3087.24 h20 r180; PIN_NUMBER "29" at 4785.33,2959.65 h20 r180; PIN_NUMBER "36" at 4923.13,2959.65 h20 r180; PIN_NUMBER "10" at 4923.13,3194.83 h20 r180; PIN_NUMBER "23" at 4726.8,3077.24 h20 r180; PIN_NUMBER "15" at 4824.7,3194.83 h20 r180; PIN_NUMBER "5" at 4969.98,3077.24 h20 r180; PLACE_BOUND_TOP "1mm" at 4993.26,3141.22 h56 r180
U5: PIN_NUMBER "4" at 5137.12,3075 h20; PIN_NUMBER "6" at 5211.92,3075 h20; PIN_NUMBER "1" at 5211.92,2964.76 h20; PIN_NUMBER "5" at 5174.52,3075 h20; PIN_NUMBER "3" at 5137.12,2964.76 h20; PIN_NUMBER "2" at 5174.52,2964.76 h20; ASSEMBLY_BOTTOM "*" at 5173.66,3006.16 h25 r270; ASSEMBLY_BOTTOM "*" at 5173.66,3006.16 h25 r270; ASSEMBLY_BOTTOM "TPS2553DBV" at 5173.66,3006.16 h25 r270
U6: PIN_NUMBER "9" at 897.68,2061.52 h5.91 r270; PIN_NUMBER "31" at 836.27,1746.56 h5.91 r270; PIN_NUMBER "32" at 855.95,1746.56 h5.91 r270; PIN_NUMBER "12" at 836.27,2061.52 h5.91 r270; PIN_NUMBER "37" at 954.38,1746.56 h5.91 r270; PIN_NUMBER "41" at 1033.12,1746.56 h5.91 r270; PIN_NUMBER "36" at 934.69,1746.56 h5.91 r270; PIN_NUMBER "2" at 1035.48,2061.52 h5.91 r270; PIN_NUMBER "1" at 1055.16,2061.52 h5.91 r270; PIN_NUMBER "5" at 976.42,2061.52 h5.91 r270; PIN_NUMBER "4" at 996.11,2061.52 h5.91 r270; PIN_NUMBER "29" at 796.9,1746.56 h5.91 r270; PIN_NUMBER "7" at 937.05,2061.52 h5.91 r270; PIN_NUMBER "48" at 1082.33,1874.51 h5.91 r270; PIN_NUMBER "54" at 1082.33,1992.62 h5.91 r270; PIN_NUMBER "45" at 1082.33,1815.46 h5.91 r270; PIN_NUMBER "19" at 767.37,1953.25 h5.91 r270; PIN_NUMBER "26" at 767.37,1815.46 h5.91 r270; PIN_NUMBER "3" at 1015.79,2061.52 h5.91 r270; PIN_NUMBER "35" at 915.01,1746.56 h5.91 r270; PIN_NUMBER "38" at 974.06,1746.56 h5.91 r270; PIN_NUMBER "25" at 767.37,1835.14 h5.91 r270; PIN_NUMBER "20" at 767.37,1933.57 h5.91 r270; PIN_NUMBER "13" at 816.58,2061.52 h5.91 r270; PIN_NUMBER "15" at 767.37,2031.99 h5.91 r270; PIN_NUMBER "22" at 767.37,1894.2 h5.91 r270; PIN_NUMBER "55" at 1082.33,2012.31 h5.91 r270; PIN_NUMBER "30" at 816.58,1746.56 h5.91 r270; PIN_NUMBER "43" at 1082.33,1776.09 h5.91 r270; PIN_NUMBER "44" at 1082.33,1795.77 h5.91 r270; PIN_NUMBER "56" at 1082.33,2031.99 h5.91 r270; PIN_NUMBER "51" at 1082.33,1933.57 h5.91 r270; PIN_NUMBER "46" at 1082.33,1835.14 h5.91 r270; PIN_NUMBER "16" at 767.37,2012.31 h5.91 r270; PIN_NUMBER "14" at 796.9,2061.52 h5.91 r270; PIN_NUMBER "53" at 1082.33,1972.94 h5.91 r270; PIN_NUMBER "24" at 767.37,1854.83 h5.91 r270; PIN_NUMBER "17" at 767.37,1992.62 h5.91 r270; PIN_NUMBER "47" at 1082.33,1854.83 h5.91 r270; PIN_NUMBER "21" at 767.37,1913.88 h5.91 r270; PIN_NUMBER "50" at 1082.33,1913.88 h5.91 r270; PIN_NUMBER "23" at 767.37,1874.51 h5.91 r270; PIN_NUMBER "8" at 917.37,2061.52 h5.91 r270; PIN_NUMBER "18" at 767.37,1972.94 h5.91 r270; PIN_NUMBER "28" at 767.37,1776.09 h5.91 r270; PIN_NUMBER "6" at 956.74,2061.52 h5.91 r270; PIN_NUMBER "42" at 1052.8,1746.56 h5.91 r270; PIN_NUMBER "27" at 767.37,1795.77 h5.91 r270; PIN_NUMBER "34" at 895.32,1746.56 h5.91 r270; PIN_NUMBER "33" at 875.64,1746.56 h5.91 r270; PIN_NUMBER "57" at 920.12,1904.04 h5.91 r270; PIN_NUMBER "49" at 1082.33,1894.2 h5.91 r270; PIN_NUMBER "52" at 1082.33,1953.25 h5.91 r270; PIN_NUMBER "11" at 855.95,2061.52 h5.91 r270; PIN_NUMBER "10" at 875.64,2061.52 h5.91 r270; PIN_NUMBER "40" at 1013.43,1746.56 h5.91 r270; PIN_NUMBER "39" at 993.75,1746.56 h5.91 r270; PLACE_BOUND_TOP "H=0.8MM" at 947.76,2026.04 h34 r270
U7: PIN_NUMBER "6" at 747.63,2837.28 h3.94; PIN_NUMBER "7" at 727.96,2837.28 h3.94; PIN_NUMBER "8" at 708.26,2837.28 h3.94; PIN_NUMBER "28" at 464.57,2536.1 h3.94; PIN_NUMBER "41" at 706.69,2372.72 h3.94; PIN_NUMBER "55" at 929.13,2575.47 h3.94; PIN_NUMBER "42" at 726.38,2372.72 h3.94; PIN_NUMBER "62" at 929.13,2713.27 h3.94; PIN_NUMBER "59" at 929.13,2654.21 h3.94; PIN_NUMBER "61" at 929.13,2693.58 h3.94; PIN_NUMBER "37" at 627.95,2372.72 h3.94; PIN_NUMBER "60" at 929.13,2673.9 h3.94; PIN_NUMBER "54" at 929.13,2555.79 h3.94; PIN_NUMBER "40" at 687.01,2372.72 h3.94; PIN_NUMBER "56" at 929.13,2595.16 h3.94; PIN_NUMBER "47" at 824.8,2372.72 h3.94; PIN_NUMBER "46" at 805.12,2372.72 h3.94; PIN_NUMBER "43" at 746.06,2372.72 h3.94; PIN_NUMBER "49" at 929.13,2457.36 h3.94; PIN_NUMBER "57" at 929.13,2614.84 h3.94; PIN_NUMBER "52" at 929.13,2516.42 h3.94; PIN_NUMBER "39" at 667.32,2372.72 h3.94; PIN_NUMBER "48" at 844.49,2372.72 h3.94; PIN_NUMBER "38" at 647.64,2372.72 h3.94; PIN_NUMBER "58" at 929.13,2634.53 h3.94; PIN_NUMBER "44" at 765.75,2372.72 h3.94; PIN_NUMBER "50" at 929.13,2477.05 h3.94; PIN_NUMBER "45" at 785.43,2372.72 h3.94; PIN_NUMBER "34" at 568.9,2372.72 h3.94; PIN_NUMBER "18" at 464.57,2732.95 h3.94; PIN_NUMBER "26" at 464.57,2575.47 h3.94; PIN_NUMBER "27" at 464.57,2555.79 h3.94; PIN_NUMBER "20" at 464.57,2693.58 h3.94; PIN_NUMBER "17" at 464.57,2752.64 h3.94; PIN_NUMBER "21" at 464.57,2673.9 h3.94; PIN_NUMBER "33" at 549.21,2372.72 h3.94; PIN_NUMBER "16" at 549.21,2837.28 h3.94; PIN_NUMBER "30" at 464.57,2496.73 h3.94; PIN_NUMBER "32" at 464.57,2457.36 h3.94; PIN_NUMBER "14" at 588.58,2837.28 h3.94; PIN_NUMBER "3" at 806.7,2837.28 h3.94; PIN_NUMBER "5" at 767.33,2837.28 h3.94; PIN_NUMBER "4" at 787,2837.28 h3.94; PIN_NUMBER "53" at 929.13,2536.1 h3.94; PIN_NUMBER "2" at 826.37,2837.28 h3.94; PIN_NUMBER "63" at 929.13,2732.95 h3.94; PIN_NUMBER "64" at 929.13,2752.64 h3.94; PIN_NUMBER "22" at 464.57,2654.21 h3.94; PIN_NUMBER "9" at 688.59,2837.28 h3.94; PIN_NUMBER "10" at 667.32,2837.28 h3.94; PIN_NUMBER "23" at 464.57,2634.53 h3.94; PIN_NUMBER "24" at 464.57,2614.84 h3.94; PIN_NUMBER "35" at 588.58,2372.72 h3.94; PIN_NUMBER "36" at 608.27,2372.72 h3.94; PIN_NUMBER "65" at 689.75,2605 h3.94 r270; PIN_NUMBER "29" at 464.57,2516.42 h3.94; PIN_NUMBER "12" at 627.95,2837.28 h3.94; PIN_NUMBER "13" at 608.27,2837.28 h3.94; PIN_NUMBER "11" at 647.64,2837.28 h3.94; PIN_NUMBER "1" at 846.07,2837.28 h3.94; PIN_NUMBER "31" at 464.57,2477.05 h3.94; PIN_NUMBER "51" at 929.13,2496.73 h3.94; PIN_NUMBER "15" at 568.9,2837.28 h3.94; PIN_NUMBER "25" at 464.57,2595.16 h3.94; PIN_NUMBER "19" at 464.57,2713.27 h3.94; ASSEMBLY_TOP "*" at 691.14,2618.7 h25 r270; ASSEMBLY_TOP "*" at 691.14,2618.7 h25 r270; ASSEMBLY_TOP "ADV7513" at 691.14,2618.7 h25 r270
U10: PIN_NUMBER "7" at 193.57,2868.11 h20 r90; PIN_NUMBER "4" at 228.22,2868.11 h20 r90; PIN_NUMBER "10" at 185.57,2809.05 h20 r90; PIN_NUMBER "1" at 228.22,2809.05 h20 r90; PIN_NUMBER "2" at 228.22,2828.73 h20 r90; PIN_NUMBER "9" at 193.57,2828.73 h20 r90; PIN_NUMBER "5" at 228.22,2887.8 h20 r90; PIN_NUMBER "6" at 193.57,2887.8 h20 r90; PIN_NUMBER "3" at 228.22,2848.43 h20 r90; PIN_NUMBER "8" at 193.57,2848.43 h20 r90
U11: PIN_NUMBER "A5" at 1639.29,-161.49 h25.2; PIN_NUMBER "A6" at 1678.66,-161.49 h25.2; PIN_NUMBER "A7" at 1718.03,-161.49 h25.2; PIN_NUMBER "A8" at 1757.4,-161.49 h25.2; PIN_NUMBER "B9" at 1796.77,-161.49 h25.2; PIN_NUMBER "B12" at 1983.55,-161.49 h25.2; PIN_NUMBER "B5" at 1639.29,-161.49 h25.2; PIN_NUMBER "B6" at 1678.66,-161.49 h25.2; PIN_NUMBER "B11" at 1865.43,-161.49 h25.2; PIN_NUMBER "B8" at 1757.4,-161.49 h25.2; PIN_NUMBER "A9" at 1796.77,-161.49 h25.2; PIN_NUMBER "A10" at 1826.06,-161.49 h25.2; PIN_NUMBER "A1" at 1481.81,-161.49 h25.2; PIN_NUMBER "B17" at 2180.4,-161.49 h25.2; PIN_NUMBER "A16" at 2141.03,-161.49 h25.2; PIN_NUMBER "A17" at 2180.4,-161.49 h25.2; PIN_NUMBER "A13" at 2022.92,-161.49 h25.2; PIN_NUMBER "A14" at 2062.29,-161.49 h25.2; PIN_NUMBER "B10" at 1826.06,-161.49 h25.2; PIN_NUMBER "B14" at 2062.29,-161.49 h25.2; PIN_NUMBER "B15" at 2101.66,-161.49 h25.2; PIN_NUMBER "A11" at 1865.43,-161.49 h25.2; PIN_NUMBER "A15" at 2101.66,-161.49 h25.2; PIN_NUMBER "A18" at 2219.77,-161.49 h25.2; PIN_NUMBER "B18" at 2219.77,-161.49 h25.2; PIN_NUMBER "B7" at 1718.03,-161.49 h25.2; PIN_NUMBER "B4" at 1599.92,-161.49 h25.2; PIN_NUMBER "B13" at 2022.92,-161.49 h25.2; PIN_NUMBER "B16" at 2141.03,-161.49 h25.2; PIN_NUMBER "A4" at 1599.92,-161.49 h25.2; PIN_NUMBER "A12" at 1983.55,-161.49 h25.2; PIN_NUMBER "B1" at 1481.81,-161.49 h25.2; PIN_NUMBER "B3" at 1560.55,-161.49 h25.2; PIN_NUMBER "B2" at 1521.18,-161.49 h25.2; PIN_NUMBER "A2" at 1521.18,-161.49 h25.2; PIN_NUMBER "A3" at 1560.55,-161.49 h25.2
U12: PIN_NUMBER "7" at 2481.61,402.8 h5.91; PIN_NUMBER "1" at 2328.07,402.8 h5.91; PIN_NUMBER "2" at 2353.66,402.8 h5.91; PIN_NUMBER "3" at 2379.25,402.8 h5.91; PIN_NUMBER "4" at 2404.84,402.8 h5.91; PIN_NUMBER "5" at 2430.43,402.8 h5.91; PIN_NUMBER "8" at 2507.2,402.8 h5.91; PIN_NUMBER "9" at 2507.2,627.21 h5.91; PIN_NUMBER "12" at 2428.07,627.21 h5.91; PIN_NUMBER "13" at 2402.48,627.21 h5.91; PIN_NUMBER "15" at 2351.3,627.21 h5.91; PIN_NUMBER "14" at 2376.89,627.21 h5.91; PIN_NUMBER "10" at 2479.25,627.21 h5.91; PIN_NUMBER "11" at 2453.66,627.21 h5.91; PIN_NUMBER "16" at 2325.71,627.21 h5.91; PIN_NUMBER "6" at 2456.02,402.8 h5.91; PLACE_BOUND_TOP "H=1.1MM" at 2298,527.29 h34
U13: PIN_NUMBER "2" at 1548.92,1476.23 h3.94 r90; PIN_NUMBER "3" at 1548.92,1520.52 h3.94 r180; PIN_NUMBER "5" at 1611.92,1476.23 h3.94 r90; PIN_NUMBER "4" at 1611.92,1520.52 h3.94 r180; PIN_NUMBER "6" at 1611.92,1431.94 h3.94 r180; PIN_NUMBER "1" at 1548.92,1431.94 h3.94 r180; ASSEMBLY_BOTTOM "*" at 1568.3,1485.09 h25 r180; ASSEMBLY_BOTTOM "*" at 1568.3,1485.09 h25 r180; ASSEMBLY_BOTTOM "OSC_DIFF" at 1568.3,1485.09 h25 r180
U15: PIN_NUMBER "12" at 1827.04,3140.47 h3.94 r180; PIN_NUMBER "6" at 1946.73,3199.53 h3.94 r180; PIN_NUMBER "1" at 1867.99,3146.38 h3.94 r180; PIN_NUMBER "11" at 1827.04,3160.16 h3.94 r180; PIN_NUMBER "5" at 1946.73,3179.84 h3.94 r180; PIN_NUMBER "8" at 1867.99,3209.37 h3.94 r180; PIN_NUMBER "7" at 1887.68,3193.62 h3.94 r180; PIN_NUMBER "9" at 1828.62,3199.53 h3.94 r180; PIN_NUMBER "10" at 1827.04,3179.84 h3.94 r180; PIN_NUMBER "2" at 1907.36,3146.38 h3.94 r180; PIN_NUMBER "4" at 1946.73,3160.16 h3.94 r180; PIN_NUMBER "3" at 1946.73,3140.47 h3.94 r180; ASSEMBLY_TOP "*" at 1902.95,3178.86 h25 r180; ASSEMBLY_TOP "*" at 1902.95,3178.86 h25 r180; ASSEMBLY_TOP "NB679" at 1902.95,3178.86 h25 r180
U16: PIN_NUMBER "5" at 1360.08,2098.39 h25 r90; PIN_NUMBER "3" at 1462.44,2072.8 h25 r90; PIN_NUMBER "7" at 1360.08,2047.2 h25 r90; PIN_NUMBER "1" at 1472.44,2021.61 h25 r90; PIN_NUMBER "2" at 1462.44,2047.2 h25 r90; PIN_NUMBER "6" at 1360.08,2072.8 h25 r90; PIN_NUMBER "4" at 1462.44,2098.39 h25 r90; PIN_NUMBER "8" at 1360.08,2021.61 h25 r90
U17: PIN_NUMBER "7" at 457.8,3098.82 h25 r180; PIN_NUMBER "1" at 493.39,3201.18 h25 r180; PIN_NUMBER "3" at 432.2,3201.18 h25 r180; PIN_NUMBER "2" at 457.8,3201.18 h25 r180; PIN_NUMBER "4" at 406.61,3201.18 h25 r180; PIN_NUMBER "6" at 432.2,3098.82 h25 r180; PIN_NUMBER "5" at 406.61,3098.82 h25 r180; PIN_NUMBER "8" at 483.39,3098.82 h25 r180
U18: PIN_NUMBER "1" at 4403.81,2558.39 h25 r270; PIN_NUMBER "2" at 4393.81,2532.8 h25 r270; PIN_NUMBER "6" at 4496.18,2507.2 h25 r270; PIN_NUMBER "4" at 4393.81,2481.61 h25 r270; PIN_NUMBER "5" at 4496.18,2481.61 h25 r270; PIN_NUMBER "7" at 4496.18,2532.8 h25 r270; PIN_NUMBER "3" at 4393.81,2507.2 h25 r270; PIN_NUMBER "8" at 4496.18,2558.39 h25 r270
U19: PIN_NUMBER "5" at 4156.37,3072.68 h20; PIN_NUMBER "6" at 4156.37,3107.32 h20; PIN_NUMBER "4" at 4136.69,3072.68 h20; PIN_NUMBER "7" at 4136.69,3107.32 h20; PIN_NUMBER "9" at 4097.31,3107.32 h20; PIN_NUMBER "2" at 4097.31,3072.68 h20; PIN_NUMBER "10" at 4069.63,3107.32 h20; PIN_NUMBER "1" at 4077.63,3072.68 h20; PIN_NUMBER "3" at 4117,3072.68 h20; PIN_NUMBER "8" at 4117,3107.32 h20